# Allegro board pc069a_toplevel_12_glossed.brd (continued)
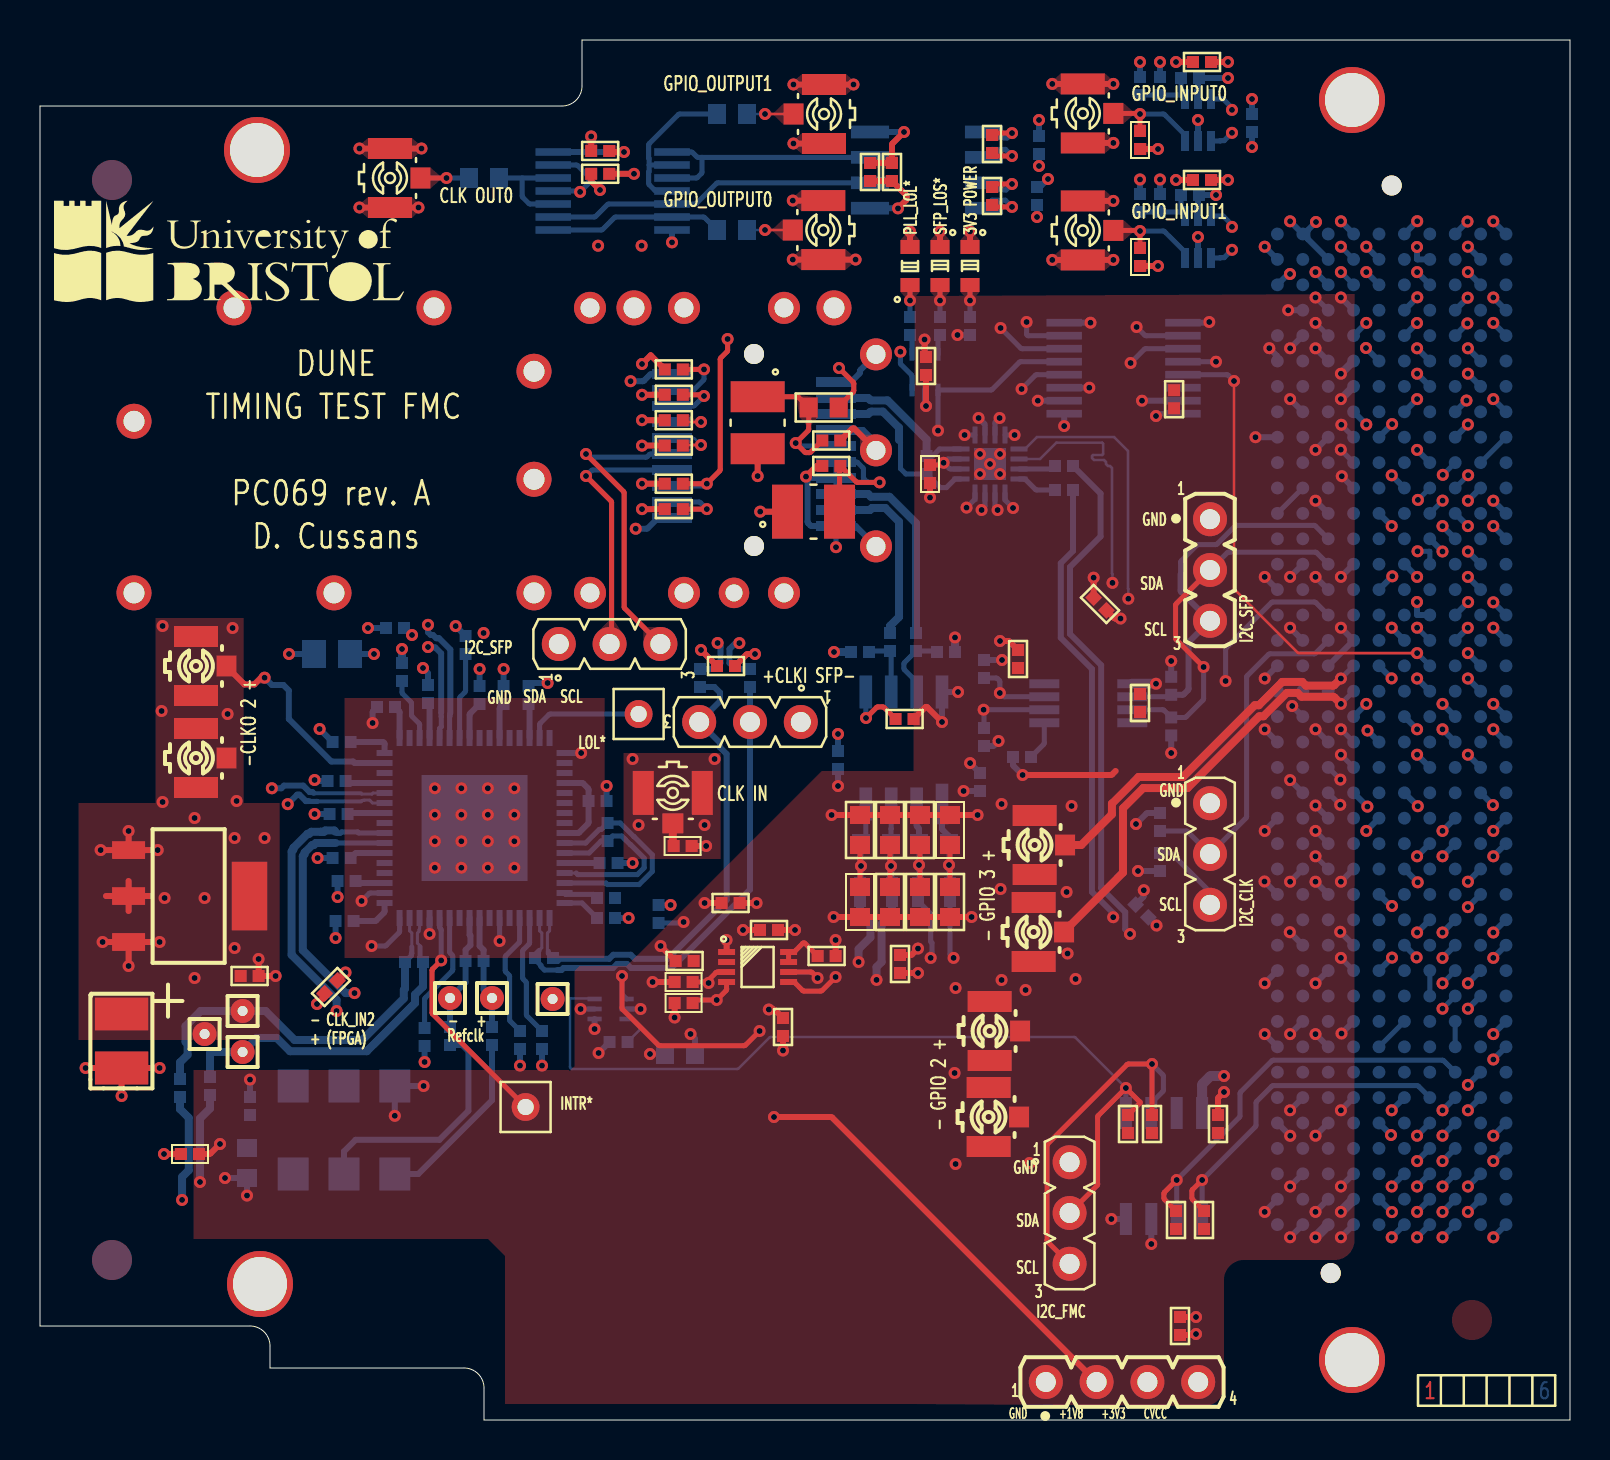
[diagram p0: board, top side]
## Routing (per net, layer and track width the routed paths; a pad name or vN(x,y) marks a point on that pad's centre or on a via; arc(x,y) is an arc through that point) (continued)
CLK1_M2C_N: length 69.1
  L4_SIGN w0.3: v1(65.04,57.4) 64.69,57.75 64.23,57.75 64.01,57.97 62.36,57.97 60.43,56.05 49.97,56.05 48.09,57.93 43.04,57.93 42,56.89 36.03,56.89 36.03,56.9 24.56,56.9 20.6,52.94 20.6,41.22 20.55,41.17 20.51,41.17 20.21,40.87 20.21,39.54 19.4,38.74 v1(19.4,38.65)
  BOTTOM w0.254: IC3.37 19.98,34.58 20.07,34.66 20.07,35.17 20.06,35.18 20.06,35.36 ; P1.G3 v1(65.04,57.4)
  BOTTOM w0.3: 20.06,35.36 20.06,38.33 19.76,38.63 19.42,38.63 v1(19.4,38.65)
CLK1_M2C_P: length 70
  L4_SIGN w0.3: v1(19.4,39.76) 19.6,39.76 19.65,39.81 19.65,41.1 20.05,41.49 20.05,53.17 24.33,57.45 36.25,57.45 36.26,57.44 41.77,57.44 42.81,58.48 48.32,58.48 50.2,56.6 60.2,56.6 62.13,58.53 64.24,58.53 64.46,58.31 64.69,58.31 v1(65.04,58.66)
  BOTTOM w0.254: P1.G2 v1(65.04,58.66) ; IC3.38 20.48,35.17 20.49,35.18 20.49,35.3 20.52,35.32 20.52,35.36
  BOTTOM w0.3: 20.52,35.36 20.52,38.52 19.95,39.09 19.81,39.09 19.65,39.25 19.54,39.25 19.4,39.39 v1(19.4,39.76)
CLK_I2C_SEL: length 4.3
  BOTTOM w0.254: IC3.39 20.98,36.08 arc(20.99,36.12) 21.01,36.16 21.25,36.4 arc(21.27,36.43) 21.28,36.47 R13.1
CLK_IN0_N: length 1.9
  BOTTOM w0.254: IC3.64 27.1,25.85 C26.2
CLK_IN0_P: length 1.7
  BOTTOM w0.254: IC3.63 26.23,26.33 26.28,26.28 27.67,26.28 C23.2
CLK_IN1_N: length 25.2
  BOTTOM w0.15: 24.96,23.48 25.09,23.61 25.09,24.35 24.98,24.46 IC3.2
  BOTTOM w0.254: 24.96,23.48 24.75,23.27 R11.1 24.75,23.03 25.05,22.73 25.05,22.67 25.22,22.5 25.88,22.5
  BOTTOM w0.3: C27.2 J3.2 35.5,26.52 31.58,22.6 29.55,22.6 29.35,22.8 28.85,22.8 28.65,22.6 26.18,22.6 26.08,22.5 25.88,22.5
CLK_IN1_P: length 24.9
  BOTTOM w0.15: IC3.1 25.48,24.46 25.37,24.35 25.37,23.5 25.42,23.45 25.42,23.44
  BOTTOM w0.254: 25.42,23.44 25.42,23.33 R11.2 25.65,23.01
  BOTTOM w0.3: C24.2 33.72,36.65 34,36.37 34,35.94 J3.3 34,33.86 34,33.63 34.33,33.3 34.33,26 31.39,23.06 29.74,23.06 29.54,23.26 28.66,23.26 28.46,23.06 25.99,23.06 25.88,22.96 25.7,22.96 25.65,23.01
CLK_IN2_N: length 19.8
  BOTTOM w0.15: 18.59,23.65 18.59,24.35 18.48,24.46 IC3.15
  BOTTOM w0.254: 18.59,23.65 18.59,23.33 18.57,23.32 18.57,23.22 R8.2
  BOTTOM w0.4: C28.2 7,17.88 7.38,18.26 7.38,18.8 7.28,18.91 7.28,19.69 8.03,20.45 TP5.1 11.28,20.45 12.73,19 16.11,19 18.19,21.08 18.19,21.5 18.25,21.56 R8.2
CLK_IN2_P: length 17.6
  BOTTOM w0.15: 19,23.65 19,23.71 18.87,23.84 18.87,24.35 18.95,24.43 18.95,24.52 18.98,24.55 IC3.14
  BOTTOM w0.254: 19,23.65 19,23.05 R8.1
  BOTTOM w0.4: C22.2 8.5,18.35 8.55,18.4 TP4.1 10.83,19.1 11.83,19.1 12.5,18.44 16.34,18.44 18.75,20.85 18.75,21.27 19.15,21.67 R8.1
CLK_OE*: length 6.1
  BOTTOM w0.254: R10.1 19.23,21.03 arc(19.24,21.07) 19.26,21.1 20.61,22.45 arc(20.63,22.48) 20.64,22.52 20.64,23.18 arc(20.63,23.22) 20.61,23.25 20.51,23.35 arc(20.49,23.38) 20.48,23.42 IC3.11
CLK_RSTB: length 86.4
  L3_SIGN w0.127: v1(32.18,24.9) 32.18,25.58 arc(32.19,25.62) 32.21,25.65 36.7,30.14 arc(36.72,30.17) 36.73,30.21 36.73,35.41 arc(36.72,35.45) 36.7,35.48 34.66,37.52 arc(34.63,37.54) 34.59,37.55 25.42,37.55 arc(25.38,37.56) 25.35,37.58 23.11,39.82 arc(23.09,39.85) 23.08,39.89 23.08,54.04 arc(23.09,54.08) 23.11,54.11 27.12,58.12
  L3_SIGN w0.254: v1(32.18,24.9) 30.79,24.9 arc(30.75,24.89) 30.72,24.87 29.83,23.98 arc(29.8,23.96) 29.76,23.95 v1(22.98,23.95) ; v1(49.33,54.9) 45.66,58.57 arc(45.63,58.59) 45.59,58.6 37.44,58.6 arc(37.4,58.59) 37.37,58.57 36.78,57.98 arc(36.75,57.96) 36.71,57.95 27.49,57.95 arc(27.45,57.96) 27.42,57.98 27.28,58.12 arc(27.25,58.14) 27.21,58.15 27.19,58.15 arc(27.15,58.14) 27.12,58.12
  BOTTOM w0.254: 51.21,54.22 49.41,54.22 arc(49.35,54.24) 49.33,54.3 v1(49.33,54.9) ; R16.1 32.09,24.85 arc(32.13,24.86) 32.16,24.88 v1(32.18,24.9) ; IC3.6 v1(22.98,23.95)
CLK_SCL: length 33.3
  TOP w0.254: IC1.3 33.87,22.4 arc(33.83,22.39) 33.8,22.37 33.46,22.03 arc(33.44,22) 33.43,21.96 v1(33.43,21.85) 33.41,21.87 arc(33.38,21.89) 33.34,21.9 R41.2
  L3_SIGN w0.127: v1(16.58,23.7) 16.58,19.74 arc(16.59,19.7) 16.61,19.67 18.97,17.31 arc(19,17.29) 19.04,17.28 19.38,17.28 arc(19.42,17.27) 19.45,17.25 22.05,14.65
  L3_SIGN w0.254: v1(33.43,21.85) 34.38,21.85 arc(34.41,21.84) 34.43,21.8 34.43,20.17 arc(34.42,20.13) 34.4,20.1 28.95,14.65 arc(28.92,14.63) 28.88,14.62 22.12,14.62 arc(22.08,14.63) 22.05,14.65
  BOTTOM w0.254: IC3.16 17.98,24.44 arc(17.97,24.4) 17.95,24.37 17.31,23.73 arc(17.28,23.71) 17.24,23.7 v1(16.58,23.7)
CLK_SDA: length 40
  TOP w0.254: R40.2 32.75,20.97 arc(32.78,20.99) 32.82,21 v1(33.83,21) 34.3,21.47 arc(34.32,21.5) 34.33,21.54 IC1.4
  L2_GND w0.127: v1(33.83,21) 33.83,19.9 arc(33.83,19.87) 33.8,19.83 27.3,13.33 arc(27.27,13.31) 27.23,13.3 17.94,13.3 arc(17.9,13.31) 17.87,13.33 12.85,18.35 arc(12.83,18.38) 12.82,18.42 12.82,23.48 arc(12.83,23.52) 12.85,23.55 14.37,25.07 arc(14.4,25.09) 14.44,25.1 15.19,25.1 arc(15.23,25.11) 15.26,25.13 v1(16.08,25.95)
  BOTTOM w0.254: IC3.18 16.52,26.35 arc(16.48,26.34) 16.45,26.32 v1(16.08,25.95)
CVCC: length 25.7
  TOP w0.3: v1(49.13,32.25) 53.54,32.25 arc(53.58,32.26) 53.61,32.28 53.78,32.45 ; C17.2 v1(37.75,24.5) ; v1(39.78,24) R1.2
  BOTTOM w0.254: IC11.5 v1(27.03,20.55) ; v1(55.8,50.2) 55.89,50.29 arc(55.92,50.31) 55.96,50.31 IC10.16 ; v1(46.33,45.62) 46.72,46.01 arc(46.74,46.05) 46.75,46.09 IC4.16 ; IC4.8 v1(48.73,49.25) ; v1(48.65,45.6) 48.28,45.97 arc(48.26,46.01) 48.25,46.04 IC4.13 ; IC4.5 v1(46.23,49.25)
  BOTTOM w0.3: C42.2 v1(30.5,18.3) ; R143.2 v1(56.56,37.95) ; R42.2 48.65,32.77 arc(48.66,32.73) 48.68,32.7 v1(49.13,32.25) ; R142.2 v1(56.56,33.35) ; R242.2 55.39,30.35 arc(55.35,30.34) 55.32,30.32 v1(54.8,29.8) ; v1(10.35,11.22) L3.1 v1(9.25,12.1) ; R43.2 v1(54.9,27.45) ; R61.2 v1(27.93,18.35)
  BOTTOM w0.5: v1(59.2,17.2) 58.56,17.2 arc(58.53,17.19) 58.49,17.17 58.13,16.81 arc(58.11,16.78) 58.1,16.74 IC2.8 ; IC15.1 v1(55.8,36.81) ; P1.H40 v1(63.77,9.13) ; P1.G39 v1(65.04,10.41)
F_GPIO_OUT0_N: length 28
  TOP w0.254: R45.1 47.65,60.75 47.75,60.65 v1(48.6,60.65)
  L3_SIGN w0.2: v1(65.04,48.52) 64.65,48.92 64.18,48.93 63.77,49.35 62.35,49.35 60.43,51.27 60.43,54.93 55.09,60.27 55.01,60.27 54.22,61.06 54.22,61.18 53.9,61.51 53.32,61.51 52.81,61 48.95,61 v1(48.6,60.65)
  BOTTOM w0.254: IC8.4 47.6,60.99 48.26,60.99 v1(48.6,60.65) ; P1.G10 65.04,48.51 v1(65.04,48.52)
F_GPIO_OUT0_P: length 27.5
  TOP w0.254: v1(48.6,61.8) 47.75,61.8 R45.2
  L3_SIGN w0.2: v1(48.6,61.8) 48.95,61.45 52.76,61.45 53.17,61.87 54.05,61.87 55.19,60.72 55.28,60.72 60.88,55.12 60.88,51.46 62.54,49.8 63.96,49.8 63.99,49.76 v1(65.07,49.76)
  BOTTOM w0.254: IC8.3 47.56,61.5 48.3,61.5 v1(48.6,61.8) ; P1.G9 65.07,49.75 v1(65.07,49.76)
F_GPIO_OUT1_N: length 69
  TOP w0.254: R46.1 47.7,64.35 v1(48.6,64.35)
  L4_SIGN w0.2: v1(65.01,30.76) 65.47,31.22 72.02,31.22 74.62,33.82 74.62,60.58 71.85,63.35 66.61,63.35 66.28,63.02 55.68,63.02 55.57,63.13 51.37,63.13 50.5,64 48.95,64 v1(48.6,64.35)
  BOTTOM w0.254: P1.H23 v1(65.01,30.76) ; IC8.1 47.5,64.1 48.35,64.1 v1(48.6,64.35)
F_GPIO_OUT1_P: length 67.6
  TOP w0.254: v1(48.6,63.2) 47.75,63.2 R46.2
  L4_SIGN w0.2: v1(65.02,32.02) 65.37,31.67 71.83,31.67 74.16,34.01 74.16,60.39 71.66,62.9 66.8,62.9 66.47,62.57 55.49,62.57 55.38,62.68 51.18,62.68 50.31,63.55 48.95,63.55 v1(48.6,63.2)
  BOTTOM w0.254: IC8.2 47.6,63.53 48.27,63.53 v1(48.6,63.2) ; P1.H22 v1(65.02,32.02)
F_SFP_N: length 8.1
  BOTTOM w0.254: R60.1 44.63,48.2 44.98,48.55 IC4.4
  BOTTOM w0.4: J4.12 41.41,51.1 41.5,51.01 arc(41.53,50.99) 41.57,50.98 42.38,50.98 44.33,49.03 R60.1
F_SFP_P: length 9.2
  BOTTOM w0.254: 42.95,49 42.95,48.97 43.02,48.9 43.02,47.57 43.29,47.3 R60.2 45.01,46.62 45.32,46.62 45.75,47.05 IC4.1
  BOTTOM w0.4: J4.13 41.41,50.3 41.5,50.39 arc(41.53,50.41) 41.57,50.42 42.14,50.42 42.95,49.61 42.95,49
FMC_GA0: length 21.3
  TOP w0.254: v1(56.83,12) 56.22,11.39 arc(56.2,11.36) 56.2,11.32 56.2,11.1 arc(56.2,11.06) 56.22,11.03 R138.1
  BOTTOM w0.254: P1.C34 70.19,17.96 arc(70.16,17.98) 70.12,17.99 61.66,17.99 arc(61.62,17.98) 61.59,17.96 60.03,16.4 arc(60.01,16.36) 60,16.33 60,15.21 arc(59.99,15.17) 59.97,15.14 v1(56.83,12) IC2.2
FMC_GA1: length 18.2
  TOP w0.254: R1328.1 57.62,11.03 arc(57.6,11.06) 57.6,11.1 57.6,11.45 arc(57.6,11.49) 57.62,11.52 v1(58.1,12)
  BOTTOM w0.254: P1.D35 68.92,16.69 arc(68.89,16.71) 68.85,16.72 61.66,16.72 arc(61.62,16.71) 61.59,16.69 60.83,15.93 arc(60.81,15.89) 60.8,15.86 60.8,14.74 arc(60.79,14.7) 60.77,14.67 v1(58.1,12) IC2.1
FMC_SCL: length 67
  TOP w0.254: v1(35.98,19.45) 35.27,18.74 arc(35.24,18.72) 35.2,18.72 30.99,18.72 arc(30.95,18.72) 30.92,18.74 29.13,20.53 arc(29.11,20.56) 29.1,20.6 v1(29.1,22.2) ; R103.1 v1(55.6,17.8) 54.42,17.8 arc(54.38,17.79) 54.35,17.77 50.38,13.8 arc(50.36,13.77) 50.35,13.73 50.35,8.98 arc(50.36,8.94) 50.38,8.91 J6.3
  L3_SIGN w0.254: v1(35.98,19.45) 53.91,19.45 arc(53.95,19.44) 53.98,19.42 v1(55.6,17.8) 58.97,21.17 arc(59,21.19) 59.04,21.2 69.45,21.2 arc(69.49,21.21) 69.52,21.23 v1(70.12,21.84)
  BOTTOM w0.254: v1(55.6,17.8) 56.14,17.26 arc(56.16,17.23) 56.17,17.19 56.17,16.5 arc(56.16,16.46) 56.14,16.43 55.59,15.88 arc(55.57,15.85) 55.56,15.81 IC2.6 ; v1(29.1,22.2) 29.1,21.32 arc(29.11,21.28) 29.13,21.25 IC11.1 ; P1.C30 v1(70.12,21.84)
FMC_SDA: length 63.1
  TOP w0.254: R39.1 55,15.85 55,15.89 v1(54.29,16.6) 52.91,15.21 arc(52.89,15.18) 52.88,15.14 52.88,11.79 arc(52.87,11.75) 52.85,11.72 J6.2
  L3_SIGN w0.254: v1(70.12,20.57) 61.71,20.57 arc(61.67,20.56) 61.64,20.54 57.73,16.63 arc(57.7,16.61) 57.66,16.6 v1(54.29,16.6)
  BOTTOM w0.127: v1(54.29,16.6) 51.77,19.12 arc(51.74,19.14) 51.7,19.15 36.54,19.15 arc(36.5,19.14) 36.47,19.12 34.93,17.58 arc(34.9,17.56) 34.86,17.55 26.6,17.55 arc(26.53,17.58) 26.5,17.65 26.5,21.03 arc(26.51,21.07) 26.55,21.08 27.66,21.08 arc(27.7,21.07) IC11.6
  BOTTOM w0.254: P1.C31 v1(70.12,20.57) ; v1(54.29,16.6) IC2.5
FPGA_CLK_RST: length 64.1
  L2_GND w0.127: v1(65.04,23.11) 61.28,23.11 arc(61.24,23.1) 61.21,23.08 58.11,19.98 arc(58.08,19.96) 58.04,19.95 45.92,19.95 arc(45.88,19.96) 45.85,19.98 44.46,21.37 arc(44.44,21.4) 44.43,21.44 44.43,21.46 arc(44.44,21.5) 44.46,21.53 45.35,22.42 arc(45.38,22.44) 45.42,22.45 46.54,22.45 arc(46.58,22.46) 46.61,22.48 49.65,25.52 arc(49.67,25.55) 49.68,25.59 49.68,43.61 arc(49.69,43.65) 49.71,43.68 53.3,47.27 arc(53.32,47.3) 53.33,47.34 53.33,53.11 arc(53.34,53.15) 53.36,53.18 v1(54.83,54.65)
  BOTTOM w0.254: 57.15,54.22 55.31,54.22 arc(55.27,54.22) 55.24,54.24 v1(54.83,54.65) ; P1.G30 v1(65.04,23.11)
FPGA_CLK_SCL: length 47.9
  TOP w0.254: IC1.6 38.54,22.4 arc(38.58,22.39) 38.61,22.37 v1(38.88,22.1)
  L3_SIGN w0.254: v1(59.28,36.95) 59.87,36.36 arc(59.89,36.33) 59.9,36.29 59.9,27.2 arc(59.89,27.16) 59.87,27.13 J8.3 53.28,20.54 arc(53.25,20.52) 53.21,20.52 40.51,20.52 arc(40.47,20.52) 40.44,20.54 v1(38.88,22.1)
  BOTTOM w0.254: P1.H16 63.79,40.87 arc(63.76,40.89) 63.72,40.9 61.64,40.9 arc(61.6,40.89) 61.57,40.87 59.31,38.61 arc(59.29,38.58) 59.28,38.54 v1(59.28,36.95) ; J8.3 58.5,26.36 arc(58.49,26.4) 58.47,26.43 56.58,28.32 arc(56.55,28.34) 56.51,28.35 R43.1
FPGA_CLK_SDA: length 43.6
  TOP w0.254: v1(39.78,22.15) 39.1,21.47 arc(39.07,21.45) 39.03,21.45 38.2,21.45 arc(38.16,21.45) 38.13,21.47 37.73,21.87 arc(37.7,21.89) 37.66,21.9 IC1.5
  L3_SIGN w0.254: J8.2 56.66,26.46 arc(56.64,26.43) 56.63,26.39 56.63,24.66 arc(56.62,24.62) 56.6,24.59 52.96,20.95 arc(52.93,20.93) 52.89,20.92 41.05,20.92 arc(41.01,20.93) 40.98,20.95 v1(39.78,22.15)
  BOTTOM w0.254: P1.H17 64.41,38.97 63.78,38.34 arc(63.75,38.32) 63.71,38.31 61.5,38.31 arc(61.46,38.3) 61.43,38.28 60.36,37.21 arc(60.34,37.18) 60.33,37.14 60.33,30.17 arc(60.32,30.13) 60.3,30.1 J8.2 57.38,29.42 arc(57.35,29.44) 57.31,29.45 R242.1
FPGA_SFP_LOS: length 18.6
  L2_GND w0.127: v1(68.88,43.44) 65.4,43.44 arc(65.37,43.44) 65.33,43.47 58.83,49.97 arc(58.81,50) 58.8,50.04 v1(58.8,52.91)
  BOTTOM w0.254: v1(68.88,43.44) 69.48,43.44 arc(69.49,43.43) 69.49,43.43 P1.D14 ; IC10.12 v1(58.8,52.91)
FPGA_SFP_SCL: length 18.8
  BOTTOM w0.254: R143.1 56.49,36.19 arc(56.46,36.17) 56.42,36.16 IC15.2 ; P1.H13 63.77,44.7 arc(63.74,44.72) 63.7,44.73 59.83,44.73 arc(59.79,44.72) 59.76,44.7 58.86,43.8 arc(58.82,43.78) 58.79,43.77 57.91,43.77 arc(57.88,43.76) 57.84,43.74 57.06,42.96 arc(57.04,42.92) 57.03,42.89 57.03,42.3
  BOTTOM w0.3: 57.03,42.3 57.03,41.47 arc(57.04,41.43) 57.06,41.4 J10.3 57.46,38.92 arc(57.44,38.89) 57.43,38.85 57.43,36.57 arc(57.42,36.53) 57.4,36.5 57.19,36.29 arc(57.16,36.27) 57.12,36.26 R143.1
FPGA_SFP_SDA: length 18.4
  TOP w0.254: v1(58.18,37.65) 56.81,39.02 arc(56.79,39.05) 56.78,39.09 56.78,40.74 arc(56.79,40.78) 56.81,40.81 J10.2
  BOTTOM w0.254: P1.H14 63.84,43.36 arc(63.81,43.38) 63.77,43.39 59.43,43.39 arc(59.39,43.38) 59.36,43.36 J10.2 ; v1(58.18,37.65) 58.18,36.07 arc(58.17,36.03) 58.15,36 57.31,35.16 arc(57.28,35.14) 57.24,35.13 R142.1 56.2,35.48 arc(56.17,35.51) 56.13,35.51 IC15.3
FPGA_SFP_TX_DIS: length 30.1
  L2_GND w0.127: v1(54.53,52.85) 54.53,41.81 arc(54.54,41.77) 54.56,41.74 54.9,41.4 arc(54.93,41.38) 54.97,41.37 67.06,41.37 arc(67.1,41.36) 67.13,41.34 v1(68.85,39.62)
  BOTTOM w0.254: v1(54.53,52.85) 55.22,53.54 arc(55.25,53.56) 55.29,53.56 IC10.11 ; P1.D17 v1(68.85,39.62)
FPGA_SFP_TX_FLT: length 24.4
  TOP w0.127: v1(59.7,51.95) 59.7,41.59 arc(59.71,41.56) 59.73,41.52 62.88,38.37 arc(62.91,38.35) 62.95,38.34 v1(68.85,38.34)
  BOTTOM w0.254: IC10.13 59.34,52.27 arc(59.38,52.26) 59.41,52.24 v1(59.7,51.95) ; P1.D18 v1(68.85,38.34)
GPIO_IN0_N: length 29.6
  L3_SIGN w0.2: v1(59.6,65.5) 59.94,65.16 63.75,65.16 64.81,64.1 68.1,64.1 70.73,61.47 70.73,48.41 71.01,48.13 71.01,47.64 v1(71.41,47.24)
  BOTTOM w0.254: P1.C11 71.4,47.24 v1(71.41,47.24) ; v1(59.6,65.5) 59.6,65.6 59.15,66.05 IC6.6
GPIO_IN0_P: length 28.6
  L3_SIGN w0.2: v1(70.14,47.26) 70.55,47.66 70.55,47.94 70.28,48.22 70.28,61.28 67.91,63.64 64.62,63.64 63.56,64.7 59.94,64.7 v1(59.6,64.36)
  BOTTOM w0.254: v1(59.6,64.36) 59.21,63.97 59.02,63.97 59,63.95 IC6.1 ; v1(70.14,47.26) 70.15,47.26 P1.C10
GPIO_IN1_N: length 26.5
  L3_SIGN w0.2: v1(59.6,59.65) 59.94,59.31 60.46,59.31 62.09,60.94 66.06,60.94 67.85,59.15 67.85,51.19 68.7,50.34 68.7,49.13 68.3,48.73 68.3,48.28 68.63,47.95 68.66,47.95 69.75,46.86 69.75,46.35 v1(70.13,45.97)
  BOTTOM w0.254: v1(59.6,59.65) 59.6,59.75 59.15,60.2 IC7.6 ; v1(70.13,45.97) P1.D12
GPIO_IN1_P: length 25.6
  L3_SIGN w0.2: v1(68.89,46.01) 69.3,46.41 69.3,46.68 68.47,47.5 68.44,47.5 67.85,48.09 67.85,48.92 68.25,49.32 68.25,50.15 67.4,51 67.4,58.96 65.87,60.49 62.28,60.49 60.64,58.85 59.94,58.85 v1(59.6,58.51)
  BOTTOM w0.254: v1(68.89,46.01) P1.D11 ; v1(59.6,58.51) 59.21,58.12 59.02,58.12 59,58.1 IC7.1
GPIO_IO3_N: length 21.8
  TOP w0.4: J15.1 51.2,24.43 54.15,27.37 54.15,30.59 55.16,31.6 57.38,31.6 60.96,35.19 61.17,35.19 62.34,36.35 62.88,36.35 63.07,36.16 64.64,36.16 arc(64.68,36.16) 64.72,36.13 v1(65.04,35.8)
  BOTTOM w0.254: P1.G19 v1(65.04,35.8)
GPIO_IO3_P: length 18.6
  TOP w0.4: v1(65.04,37.08) 64.72,36.75 arc(64.68,36.72) 64.64,36.72 63.3,36.72 63.11,36.9 62.11,36.9 60.95,35.74 60.74,35.74 57.15,32.15 54.93,32.15 53.6,30.82 53.6,30.29 52.06,28.75 J14.1
  BOTTOM w0.254: P1.G18 v1(65.04,37.08)
IN_SEL0: length 6.2
  BOTTOM w0.254: R17.2 24.35,20.2 arc(24.33,20.24) 24.32,20.27 24.32,21.85 arc(24.31,21.88) 24.29,21.92 24.16,22.05 arc(24.14,22.08) 24.13,22.12 24.13,23.43 arc(24.14,23.47) 24.16,23.5 24.45,23.8 arc(24.47,23.83) 24.48,23.87 IC3.3
IN_SEL1: length 6.2
  BOTTOM w0.254: R19.2 23.51,19.94 arc(23.49,19.97) 23.48,20.01 23.48,22.17 arc(23.47,22.21) 23.45,22.24 23.29,22.4 arc(23.27,22.44) 23.26,22.47 23.26,23.14 arc(23.27,23.18) 23.29,23.21 23.95,23.87 arc(23.97,23.9) 23.98,23.94 IC3.4
M2C_SFP_DATA_N: length 43.7
  L4_SIGN w0.3: v1(63.77,28.18) 63.42,28.54 62.03,28.54 60.65,27.16 60.65,24.28 58.36,22 54.3,22 53.67,22.62 53.67,23.44 54.5,24.27 v1(54.5,24.3)
  BOTTOM w0.254: P1.H26 v1(63.77,28.18)
  BOTTOM w0.3: v1(54.5,24.3) 54.26,24.54 54.26,25.39 53.06,26.59 53.06,37.74 51.5,39.3 51.5,42.65 53.03,44.18 53.03,46.32 R59.2
M2C_SFP_DATA_P: length 41.5
  L4_SIGN w0.3: v1(63.77,29.45) 63.42,29.1 61.8,29.1 60.09,27.39 60.09,24.51 58.13,22.55 54.52,22.55 54.22,22.85 54.22,23.21 55.08,24.06 55.08,24.54 54.74,24.88 53.92,24.88 v1(53.66,25.14)
  BOTTOM w0.254: v1(63.77,29.45) P1.H25
  BOTTOM w0.3: R58.2 51.65,43.45 51.04,42.84 51.04,39.11 52.6,37.55 52.6,26.4 53.66,25.34 v1(53.66,25.14)
OSC_CLK_N: length 5.9
  BOTTOM w0.3: C25.2 TP2.1 21.28,21.88 R7.2 21.28,23.5 21.52,23.74 21.52,24.22 21.48,24.26 IC3.9
OSC_CLK_P: length 5.7
  BOTTOM w0.3: IC3.8 21.98,23.7 22.18,23.5 R7.1 22.18,21.52 TP1.1 C21.2
PLL_INTR*: length 11.6
  TOP w0.254: v1(20.06,22.98) 19.63,22.55 arc(19.61,22.52) 19.6,22.48 19.6,20.37 arc(19.61,20.33) 19.63,20.3 TP9.1
  BOTTOM w0.254: v1(20.06,22.98) 20.06,24.5 arc(20.05,24.54) 20.03,24.57 20.01,24.59 arc(19.99,24.62) 19.98,24.66 IC3.12
PLL_LOL*: length 45.3
  L2_GND w0.127: TP10.1 27.38,37.85 arc(27.36,37.88) 27.35,37.92 27.35,39.49 arc(27.34,39.53) 27.32,39.56 26.45,40.43 arc(26.43,40.46) 26.42,40.5 26.42,51.15 arc(26.43,51.19) 26.45,51.22 28.8,53.57 arc(28.83,53.59) 28.87,53.6 33.97,53.6 arc(34.01,53.59) 34.04,53.57 35.31,52.3 arc(35.34,52.28) 35.38,52.27 36.09,52.27 arc(36.12,52.28) 36.16,52.3 37.25,53.4 arc(37.29,53.42) 37.32,53.42 40.11,53.42 arc(40.15,53.42) 40.18,53.4 41.35,52.23 arc(41.38,52.21) 41.42,52.2 42.37,52.2 arc(42.41,52.21) 42.44,52.23 42.99,52.78 arc(43.01,52.81) 43.02,52.85 v1(43.02,53.41)
  BOTTOM w0.254: IC18.3 43.6,52.19 arc(43.59,52.22) 43.57,52.26 43.05,52.78 arc(43.03,52.81) 43.02,52.85 v1(43.02,53.41) ; TP10.1 25.52,35.3 arc(25.48,35.29) 25.45,35.27 25.01,34.83 arc(24.99,34.8) 24.98,34.76 IC3.47
PLL_ZDM_CLK_N: length 11
  BOTTOM w0.254: IC3.62 28.29,26.85 28.37,26.77 29.96,26.77 30.61,27.43 30.61,28.26 29.7,29.17 29.69,29.17 29.01,29.85 R18.1 28.06,29.53 27.96,29.53 27.29,28.85 IC3.58
PLL_ZDM_CLK_P: length 9.4
  BOTTOM w0.15: 26.81,27.35 IC3.61
  BOTTOM w0.254: 26.81,27.35 26.89,27.27 29.87,27.27 30.21,27.61 30.21,28.09 29.53,28.76 29.52,28.76 29.28,29 29.28,29 29.21,29.08 29.09,29.2 28.63,29.2 R18.2 28.05,28.95 27.45,28.35 IC3.59
S_CLK_IN: length 1.1
  TOP w0.4: PX1.1 31.64,28.78 arc(31.65,28.74) 31.67,28.71 R27.2
S_GPIO_IN0: length 5.2
  TOP w0.25: R30.2 v1(55,65.3) arc(54.97,65.32) 54.93,65.33 PX2.1
  BOTTOM w0.25: IC6.3 57.25,64.21 arc(57.24,64.25) 57.22,64.28 56.23,65.27 arc(56.2,65.29) 56.16,65.3 v1(55,65.3)
S_GPIO_IN1: length 5.2
  TOP w0.25: PX3.1 54.93,59.48 arc(54.97,59.47) v1(55,59.45) R31.2
  BOTTOM w0.25: v1(55,59.45) 56.16,59.45 arc(56.2,59.44) 56.23,59.42 57.22,58.43 arc(57.24,58.4) 57.25,58.36 IC7.3
SFP2PLL_DATA_N: length 36.4
  L4_SIGN w0.3: v1(34.97,38.85) 34.97,39.15 35.25,39.44 35.25,39.44 35.59,39.78 35.59,39.78 35.64,39.83 52.71,39.83 53.94,41.06 v1(54.42,41.06)
  BOTTOM w0.127: v1(54.42,41.06) 54.42,41.55 54.4,41.57 54.4,48.45 53.7,49.15 49.85,49.15 49.25,48.55 IC4.9
  BOTTOM w0.3: C27.1 34.78,37.55 34.48,37.85 34.48,38.55 34.78,38.85 v1(34.97,38.85)
SFP2PLL_DATA_P: length 36.5
  L4_SIGN w0.3: v1(33.88,38.85) 33.88,39.16 35,40.28 52.52,40.28 53.62,41.38 v1(53.62,41.86)
  BOTTOM w0.127: v1(53.62,41.86) 53.62,42.3 53.6,42.32 53.6,47.6 53.5,47.7 53.4,47.7 53.3,47.8 53.3,47.9 53.2,48 52.7,48 52.6,48.1 52.6,48.2 52.65,48.25 53.11,48.25 53.16,48.3 53.16,48.82 53.11,48.87 50.82,48.87 50,48.05 IC4.10
  BOTTOM w0.3: v1(33.88,38.85) 34.02,38.71 34.02,38.65 34.02,37.85 33.72,37.55 C24.1
SFP_LOS: length 24.2
  TOP w0.254: 32.14,51.26 33.1,51.26 arc(33.14,51.25) 33.17,51.23 v1(33.2,51.2)
  L3_SIGN w0.254: v1(44.9,49.47) 44.27,49.47 arc(44.23,49.48) 44.2,49.5 42.53,51.17 arc(42.5,51.19) 42.46,51.2 v1(33.2,51.2)
  BOTTOM w0.254: v1(44.9,49.47) IC18.1 47.54,51.5 arc(47.58,51.51) 47.61,51.53 48.97,52.89 arc(49,52.91) 49.04,52.91 IC10.5 ; v1(33.2,51.2) 32.73,50.73 arc(32.7,50.71) 32.66,50.7 J4.8
SFP_SCL: length 49
  TOP w0.254: J5.3 29.24,40.58 arc(29.21,40.62) 29.21,40.65 29.21,46.35 arc(29.2,46.39) 29.18,46.42 v1(27.3,48.3)
  L3_SIGN w0.254: v1(27.3,48.3) 28.37,47.23 arc(28.39,47.2) 28.4,47.16 28.4,44.42 arc(28.41,44.38) 28.43,44.35 30.15,42.63 arc(30.18,42.61) 30.22,42.6 46.06,42.6 arc(46.09,42.59) 46.13,42.57 47.2,41.5 arc(47.22,41.47) 47.23,41.43 47.23,37.15 arc(47.24,37.12) 47.26,37.08 v1(47.99,36.35)
  BOTTOM w0.254: J4.5 30.54,48.3 arc(30.5,48.29) 30.47,48.27 30.37,48.17 arc(30.34,48.15) 30.3,48.14 27.5,48.14 arc(27.46,48.15) 27.43,48.17 v1(27.3,48.3) ; R411.2 47.81,37.1 arc(47.84,37.09) 47.88,37.07 47.96,36.98 arc(47.98,36.95) 47.99,36.91 v1(47.99,36.35) 48.15,36.19 arc(48.18,36.17) 48.22,36.16 50.21,36.16
SFP_SDA: length 44.5
  TOP w0.254: J5.2 28.55,38.87 arc(28.57,38.9) 28.58,38.94 28.58,45.88 arc(28.57,45.92) 28.55,45.95 v1(27.3,47.2)
  L3_SIGN w0.254: v1(47.18,35.51) 46.68,36.01 arc(46.66,36.05) 46.65,36.08 46.65,37.11 arc(46.64,37.15) 46.62,37.18 43.93,39.87 arc(43.9,39.89) 43.86,39.9 31.57,39.9 arc(31.53,39.91) 31.5,39.93 27.33,44.1 arc(27.31,44.13) 27.3,44.17 v1(27.3,47.2)
  BOTTOM w0.254: 50.21,35.51 v1(47.18,35.51) arc(47.19,35.49) 47.2,35.46 R140.2 ; J4.4 27.64,47.5 arc(27.6,47.49) 27.57,47.47 v1(27.3,47.2)
SFP_TX_DISABLE: length 28.9
  TOP w0.254: v1(34.38,54.05) 34.38,53.49 arc(34.37,53.45) 34.35,53.42 34.04,53.11 arc(34.02,53.07) 34.01,53.04 34.01,47.53 arc(34,47.49) 33.98,47.46 v1(33.34,46.81) 32.14,46.81
  L3_SIGN w0.254: v1(48.03,54.6) 46.9,53.47 arc(46.87,53.45) 46.83,53.45 44.03,53.45 arc(43.99,53.45) 43.96,53.47 43.01,54.42 arc(42.98,54.44) 42.94,54.45 35.43,54.45 arc(35.39,54.44) 35.36,54.42 35.01,54.08 arc(34.98,54.06) 34.94,54.05 v1(34.38,54.05)
  BOTTOM w0.254: v1(48.03,54.6) 49.04,53.59 arc(49.07,53.57) 49.11,53.56 IC10.6 ; J4.3 33.19,46.7 arc(33.22,46.71) 33.26,46.73 v1(33.34,46.81)
SFP_TX_FAULT: length 23.8
  TOP w0.254: 32.14,45.55 v1(33.34,45.55)
  L3_SIGN w0.254: v1(49.08,51.55) 47.6,51.55 arc(47.56,51.54) 47.53,51.52 45.51,49.5 arc(45.49,49.46) 45.48,49.43 45.48,49.27 arc(45.47,49.23) 45.45,49.2 42.28,46.03 arc(42.24,46) 42.2,46 33.84,46 arc(33.8,45.99) 33.76,45.97 v1(33.34,45.55)
  BOTTOM w0.254: IC10.4 49.84,52.27 arc(49.8,52.26) 49.77,52.24 v1(49.08,51.55) ; J4.2 32.95,45.9 arc(32.98,45.89) 33.02,45.87 v1(33.34,45.55)
T_DIFF_UFL_CLK_P: length 11
  TOP w0.3: J12.1 9.32,37.67 10.22,36.78 10.72,36.78 11.05,37.12 v1(11.23,37.12)
  BOTTOM w0.3: v1(11.23,37.12) 11.59,36.75 12.17,36.75 12.44,36.48 12.44,35.05 14.57,32.92 15.65,32.92 15.73,32.85 IC3.31
T_FFD_CLK_N: length 47.9
  L4_SIGN w0.4: v1(15.73,21.35) 15.73,20.97 17.28,19.42 25.59,19.42 28.2,16.8 38.22,16.8 40.41,18.98 40.41,22.04 40.93,22.57 v1(40.93,22.9)
  BOTTOM w0.254: 14.78,28.85 IC3.23
  BOTTOM w0.4: v1(15.73,21.35) 15.28,21.35 13.14,23.49 13.14,28.2 13.23,28.28 13.23,28.37 13.61,28.75 13.7,28.75 13.79,28.85 14.78,28.85 ; v1(40.93,22.9) 40.93,23.54 41.52,24.13 41.52,24.76 arc(41.51,24.8) 41.49,24.83 41,25.32 C38.1
T_FFD_CLK_P: length 51.4
  L4_SIGN w0.4: v1(14.83,20.45) 15.32,20.45 17.01,18.76 25.32,18.76 27.93,16.15 38.5,16.15 41.06,18.71 41.06,21.77 41.29,22 v1(41.83,22)
  BOTTOM w0.254: 14.78,29.41 14.81,29.41 14.88,29.34 15.02,29.34 15.08,29.4 15.88,29.4 15.94,29.35 IC3.24
  BOTTOM w0.4: 14.78,29.41 14.71,29.48 14.26,29.48 14.2,29.41 14.03,29.41 13.56,29.41 13.46,29.31 13.38,29.31 12.67,28.6 12.67,28.52 12.58,28.43 12.58,23.26 14.83,21.01 v1(14.83,20.45) ; C7.1 42.6,25.32 42.11,24.83 arc(42.09,24.8) 42.08,24.76 42.08,22.9 41.83,22.65 v1(41.83,22)
T_MCX_CLK0: length 34.2
  L4_SIGN w0.4: v1(27,61.41) 23.08,61.41 arc(23.04,61.4) 23.01,61.38 17.69,56.06 arc(17.66,56.02) 17.66,55.99 17.66,39.03 arc(17.66,39) 17.69,38.96 v1(18.1,38.55)
  BOTTOM w0.254: IC9.11 26.92,61.45 arc(26.96,61.44) 26.99,61.42 v1(27,61.41) 27.4,61.8 arc(27.43,61.84) 27.43,61.87 27.43,62.13 arc(27.43,62.17) 27.4,62.2 26.88,62.72 arc(26.85,62.74) 26.81,62.75 IC9.13
  BOTTOM w0.4: R26.2 v1(18.1,38.55)
T_SFP_N: length 9.2
  BOTTOM w0.4: J4.19 41.5,45.5 41.6,45.6 42.26,45.6 42.95,44.91 42.95,40.15 42.5,39.7 C2.2
T_SFP_P: length 10.1
  BOTTOM w0.4: C39.2 43.8,44.84 42.48,46.16 41.55,46.16 41.41,46.3 J4.18
UNNAMED_2_CON400P40ABCDEFGHJK_I: length 1.3
  BOTTOM w0.254: P1.D30 P1.D31
UNNAMED_2_PCA9306_I276_EN: length 2.4
  TOP w0.254: R1.1 38.25,23.83 arc(38.22,23.85) 38.19,23.85 arc(38.16,23.85) 38.14,23.83 37.73,23.43 arc(37.7,23.41) 37.66,23.4 IC1.8 IC1.7
UNNAMED_2_PCA9517_I162_EN: length 2
  BOTTOM w0.254: R42.1 50.19,33.79 arc(50.21,33.82) 50.21,33.86 50.21,34.86
UNNAMED_2_RSMD0402_I314_A: length 1.8
  BOTTOM w0.127: R61.1 29.96,19.48 arc(29.98,19.51) 29.99,19.55 29.99,19.59 arc(29.98,19.63) 29.96,19.66 29.6,20.02 arc(29.57,20.04) 29.53,20.05 IC11.3
UNNAMED_3_CAPCERSMDCL2_I325_B: length 6.2
  TOP w0.254: R4.1 45.5,27.84 arc(45.49,27.8) 45.47,27.77 v1(45.45,27.75) 45.47,27.73 arc(45.49,27.7) 45.5,27.66 R12.2
  BOTTOM w0.254: C1.2 45.48,26.87 arc(45.46,26.9) 45.45,26.94 v1(45.45,27.75) R2.1
  BOTTOM w0.3: R2.1 45.45,29.15 arc(45.44,29.18) 45.42,29.22 45.13,29.51 arc(45.11,29.54) 45.1,29.58 U1.1
UNNAMED_3_CAPCERSMDCL2_I331_A: length 3.1
  BOTTOM w0.254: R5.2 41.47,38.42 arc(41.5,38.44) 41.54,38.45 C2.1 42.53,38.42 arc(42.55,38.39) 42.56,38.35 U1.6
UNNAMED_3_CAPCERSMDCL2_I332_A: length 3.6
  BOTTOM w0.254: R6.2 44.83,38.42 arc(44.8,38.44) 44.76,38.45 C39.1 43.22,37.87 arc(43.2,37.84) 43.2,37.8 43.2,37.58 arc(43.2,37.55) 43.22,37.51 43.8,36.94 arc(43.82,36.9) 43.83,36.87 U1.7
UNNAMED_3_CAPCERSMDCL2_I337_B: length 6.1
  TOP w0.254: R53.1 44,27.84 arc(43.99,27.8) 43.97,27.77 v1(43.95,27.75) 43.97,27.73 arc(43.99,27.7) 44,27.66 R54.2
  BOTTOM w0.254: C8.2 43.92,26.87 arc(43.94,26.9) 43.95,26.94 v1(43.95,27.75) R2.2
  BOTTOM w0.3: U1.2 43.83,29.74 arc(43.84,29.7) 43.86,29.67 43.92,29.61 arc(43.94,29.57) 43.95,29.54 R2.2
UNNAMED_3_CAPCERSMDCL2_I346_B: length 6.2
  TOP w0.254: R57.2 41,27.61 arc(41.01,27.65) 41.03,27.68 v1(41.05,27.7) 41.03,27.72 arc(41.01,27.75) 41,27.79 R55.1
  BOTTOM w0.254: C38.2 41.02,26.87 arc(41.04,26.9) 41.05,26.94 v1(41.05,27.7) R3.1 41.26,29.01 arc(41.28,29.04) 41.29,29.08 U1.4
UNNAMED_3_CAPCERSMDCL2_I349_B: length 6.1
  TOP w0.254: R34.1 42.5,27.79 arc(42.51,27.75) 42.53,27.72 v1(42.55,27.7) 42.53,27.68 arc(42.51,27.65) 42.5,27.61 R52.2
  BOTTOM w0.254: U1.3 42.56,29.56 42.55,29.55 R3.2 v1(42.55,27.7) 42.57,27.68 arc(42.59,27.65) 42.6,27.61 C7.2
UNNAMED_4_CAPCERSMDCL2_I119_A: length 9.2
  BOTTOM w0.3: C21.1 22.6,15.99 18.91,12.3 QZ1.4
UNNAMED_4_CAPCERSMDCL2_I120_A: length 12.2
  BOTTOM w0.3: QZ1.5 15.2,13.43 15.78,14.01 19.97,14.01 21.42,15.46 21.42,18.44 21.11,18.75 C25.1
UNNAMED_4_RSMD0402_I49_A: length 2.2
  BOTTOM w0.3: IC3.17 17.23,25.44 arc(17.22,25.4) 17.2,25.37 16.81,24.98 arc(16.78,24.96) 16.74,24.95 R20.1
UNNAMED_4_RSMD0402_I50_A: length 1.5
  BOTTOM w0.3: R21.1 15.85,26.88 arc(15.88,26.86) 15.92,26.85 IC3.19
UNNAMED_4_RSMD0402_I123_A: length 3.2
  BOTTOM w0.254: IC3.35 18.98,34.76 arc(18.97,34.8) 18.95,34.83 18.6,35.18 arc(18.58,35.21) 18.57,35.25 18.57,35.83 arc(18.57,35.87) 18.55,35.9 18.13,36.32 arc(18.11,36.35) 18.1,36.39 R26.1
UNNAMED_5_74LCX04_I304_Y: length 5.3
  BOTTOM w0.254: IC9.10 24.51,60.8 arc(24.47,60.81) 24.44,60.83 24.14,61.13 arc(24.12,61.16) 24.11,61.2 24.11,62.1 ; 24.11,62.1 R47.1 ; 24.11,62.1 IC9.12
UNNAMED_5_74LCX04_I317_A: length 12.4
  BOTTOM w0.254: IC9.1 32.56,63.4 arc(32.6,63.39) 32.63,63.37 32.84,63.16 arc(32.87,63.14) 32.91,63.13 33.1,63.13 ; 33.1,63.13 IC8.7 ; 33.1,63.13 33.1,62.4 arc(33.09,62.36) 33.07,62.32 32.88,62.13 arc(32.84,62.11) 32.8,62.1 IC9.3
UNNAMED_5_74LCX04_I317_Y: length 8.5
  BOTTOM w0.254: R49.1 31.99,65.3 arc(31.95,65.29) 31.92,65.27 30.46,63.82 arc(30.44,63.78) 30.43,63.74 30.43,63.09 30.46,63.07 30.46,62.75 ; 30.46,62.75 IC9.2 ; 30.46,62.75 30.46,62.43 30.43,62.41 30.43,61.84 arc(30.44,61.8) 30.46,61.76 30.75,61.48 arc(30.78,61.46) 30.82,61.45 IC9.4
UNNAMED_5_74LCX04_I323_A: length 16.5
  BOTTOM w0.254: IC8.6 33.9,61.86 arc(33.86,61.85) 33.82,61.83 32.82,60.83 arc(32.79,60.81) 32.75,60.8 IC9.5 28.44,60.8 arc(28.4,60.79) 28.37,60.77 27.78,60.18 arc(27.75,60.16) 27.71,60.15 IC9.9
UNNAMED_5_74LCX04_I323_Y: length 8.7
  BOTTOM w0.254: IC9.8 28.06,59.5 arc(28.1,59.51) 28.13,59.53 28.72,60.12 arc(28.75,60.14) 28.79,60.15 IC9.6 33.16,60.15 arc(33.2,60.14) 33.23,60.12 R48.1
UNNAMED_5_ADCMP604_I285_: length 3.2
  BOTTOM w0.254: R35.1 57.05,66.25 ; 57.05,66.25 IC6.4 ; 57.05,66.25 C52.2 R36.2
UNNAMED_5_ADCMP604_I294_: length 3.2
  BOTTOM w0.254: 57.05,60.4 R37.1 ; 57.05,60.4 IC7.4 ; 57.05,60.4 C53.2 R38.2
UNNAMED_5_PCOAX_I312_A: length 2.4
  TOP w0.254: PX4.1 v1(20.32,62.1)
  BOTTOM w0.254: R47.2 v1(20.32,62.1)
UNNAMED_5_PCOAX_I315_A: length 2.3
  TOP w0.127: v1(36.25,65.3) PX6.1
  BOTTOM w0.127: R49.2 v1(36.25,65.3)
UNNAMED_5_PCOAX_I321_A: length 2.3
  TOP w0.127: PX5.1 37.64,59.5 v1(36.25,59.5)
  BOTTOM w0.127: R48.2 v1(36.25,59.5)
UNNAMED_11_CAPCERSMDCL2_I338_B: length 2.7
  TOP w0.254: C11.2 45.03,47.75 arc(45.07,47.76) 45.1,47.78 v1(45.18,47.86)
  BOTTOM w0.254: IC4.3 45.41,48.05 arc(45.37,48.04) 45.34,48.02 v1(45.18,47.86) 45.46,47.58 arc(45.49,47.56) 45.53,47.55 IC4.2
UNNAMED_11_CON20PSFP_I175_MODDE: length 2.5
  TOP w0.127: v1(33.05,48.75) 32.21,48.75 arc(32.17,48.74) R25.1 32.14,48.72
  BOTTOM w0.127: v1(33.05,48.75) 32.73,49.07 arc(32.7,49.09) 32.66,49.1 J4.6
UNNAMED_11_CON20PSFP_I175_RATES: length 2.4
  TOP w0.127: v1(33.05,49.9) 32.27,49.9 arc(32.23,49.91) 32.2,49.93 32.14,49.99
  BOTTOM w0.127: J4.7 v1(33.05,49.9)
UNNAMED_11_CON20PSFP_I175_VCCR: length 8.6
  TOP w0.254: C63.2 38.54,48.4 arc(38.51,48.38) 38.47,48.37 38.31,48.37 arc(38.27,48.38) 38.24,48.4 v1(37.79,48.85) 38.4,49.46 arc(38.43,49.5) 38.43,49.54 C64.2 37.93,51.13 arc(37.89,51.16) 37.85,51.16 L1.1
  BOTTOM w0.254: J4.15 37.98,48.7 arc(37.94,48.71) 37.9,48.73 v1(37.79,48.85)
UNNAMED_11_CON20PSFP_I175_VCCT: length 7.5
  TOP w0.254: v1(41.98,46.88) 40.88,46.88 arc(40.84,46.89) 40.81,46.91 C62.2 40.01,47.69 arc(39.98,47.66) 39.98,47.62 L2.2
  BOTTOM w0.254: J4.16 40.81,47.9 arc(40.85,47.89) 40.88,47.87 41.14,47.61 arc(41.17,47.58) 41.17,47.54 41.17,47.12 arc(41.18,47.09) 41.2,47.05 41.35,46.91 arc(41.38,46.89) 41.42,46.88 v1(41.98,46.88)
UNNAMED_11_CON20PSFP_I175_VEER: length 3.4
  TOP w0.254: 32.14,52.53 v1(33.2,52.53)
  BOTTOM w0.254: J4.9 32.64,51.5 arc(32.68,51.51) 32.71,51.53 33.17,51.99 arc(33.19,52.02) 33.2,52.06 v1(33.2,52.53)
UNNAMED_11_LED1_I225_B: length 1.6
  TOP w0.254: v1(43.5,55.97) LD1.2
  BOTTOM w0.254: R50.1 v1(43.5,55.97)
UNNAMED_11_LED1_I226_A: length 1.6
  TOP w0.254: v1(45,55.97) LD2.1
  BOTTOM w0.254: R51.1 v1(45,55.97)
UNNAMED_11_LED1_I227_A: length 1.6
  TOP w0.254: LD3.1 v1(46.5,55.97)
  BOTTOM w0.254: v1(46.5,55.97) R56.1
UNNAMED_11_RSMD0402_I232_B: length 1
  BOTTOM w0.254: R50.2 43.57,54.18 arc(43.59,54.15) 43.6,54.11 IC18.4
UNNAMED_11_RSMD0402_I233_B: length 1
  BOTTOM w0.254: R51.2 44.93,54.18 arc(44.91,54.15) 44.9,54.11 IC18.6
UNNAMED_11_RSMD0402_I312_A: length 2
  BOTTOM w0.254: IC4.12 49.21,47.05 arc(49.25,47.04) 49.28,47.02 49.77,46.53 arc(49.8,46.51) 49.84,46.5 R58.1
UNNAMED_11_RSMD0402_I313_A: length 1.9
  BOTTOM w0.254: IC4.11 50.56,47.55 arc(50.6,47.56) 50.63,47.58 R59.1

## Copper pours and planes (outline as drawn; the poured copper is in the pictures)
AVDD on BOTTOM: 8.48,9.05 20.48,9.05 20.48,17.45 8.48,17.45
GND on TOP: 2.6,8 4.6,8
GND on TOP: 2.6,62 4.6,62
GND on TOP: 47.73,21.7 52.13,21.7 52.13,31.2 47.73,31.2
GND on TOP: 29.18,28.05 34.03,28.05 34.03,33.35 29.18,33.35
GND on TOP: 15.23,23.1 28.23,23.1 28.23,36.1 15.23,36.1
GND on TOP: 5.78,30.6 10.18,30.6 10.18,40.1 5.78,40.1
GND on TOP: 45.43,12.5 49.83,12.5 49.83,22 45.43,22
GND on TOP, BOTTOM: 70.6,5 72.6,5
GND on BOTTOM: 36.9,43.35 40.8,43.35 40.8,53.1 36.9,53.1
GND on L2_GND: 22.84,0.64 22.84,1.6 22.36,2.76 21.2,3.24 12.14,3.24 12.14,3.7 11.66,4.86 10.5,5.34 0.64,5.34 0.64,65.06 26.1,65.06 27.26,65.54 27.74,66.7 27.74,68.36 75.86,68.36 75.86,2.37 68.9,2.37 68.9,0.64
P1V8 on TOP: 1.93,19 11.98,19 11.98,30.85 1.93,30.85
P1V8 on L4_SIGN: 2.48,13.85 37.98,13.85 37.98,40.1 2.48,40.1 ; 9 cut-outs
P3V3 on L5_PWR: 22.84,0.64 22.84,1.6 22.36,2.76 21.2,3.24 12.14,3.24 12.14,3.7 11.66,4.86 10.5,5.34 0.7,5.34 0.7,65.06 26.1,65.06 27.26,65.54 27.74,66.7 27.74,68.36 75.86,68.36 75.86,2.37 68.9,2.37 68.9,0.64
CVCC on TOP: 43.74,56.2 65.73,56.3 65.73,9 65.43,8.29 64.73,8 60.2,8 59.49,7.71 59.2,7 59.2,1.7 58.91,0.99 58.2,0.7 43.58,0.8 23.25,0.8 23.25,8.2 22.4,9.05 7.68,9.05 7.68,17.5 26.43,17.5 26.48,17.45 26.73,17.7 26.73,22.45 26.98,22.7 29.33,22.7 39.08,32.45 43.67,32.45

Small or netless copper shapes (teardrops, artwork), in the pictures only: 827 on BOTTOM, 269 on TOP, 10 on L2_GND, 40 on L3_SIGN, 25 on L4_SIGN

## Text on the board
BOTTOM: 6
Ref Des/Silkscreen Bottom: GND | +1V8 | +3V3 | CVCC | SDA | SCL | I2C_CLK | I2C_SFP
User.Comments: DUNE Timing System "Reference Hardware" FMC | 16/Apr/21 | E | DGC
TOP: 1
Ref Des/Silkscreen Top: GND       +1V8    +3V3    CVCC | - CLK_IN2 | + (FPGA) | Refclk | -   + | I2C_SFP | GND | SDA | SCL | INTR* | LOL* | I2C_FMC | PLL_LOL* | SFP_LOS* | 3V3 POWER | I2C_CLK | CLK OUT0 | GPIO_OUTPUT1 | GPIO_OUTPUT0 | CLK IN | +CLKI SFP- | GPIO_INPUT0 | GPIO_INPUT1 | -CLKO 2 + | - GPIO 2 + | - GPIO 3 + | DUNE | D. Cussans
L2_GND: 2
L3_SIGN: 3
L4_SIGN: 4
L5_PWR: 5
User.45: FIGURE | FINISHED_SIZE | 0.3 | 0.5 | 0.8128 | 0.8499 | 0.95 | 1.0 | 1.05 | 2.7 | 1.3 | 1.4 | DRILL CHART: TOP to BOTTOM | ALL UNITS ARE IN MILLIMETERS | PLATED | NON-PLATED | QTY | 538 | 6 | 2 | 1 | 9 | 19 | 10 | 4
